# Allegro board RK_NVR_DEMO_RK3568_DDR4P216SD4_V12_20201221YWQ_final.brd (continued)
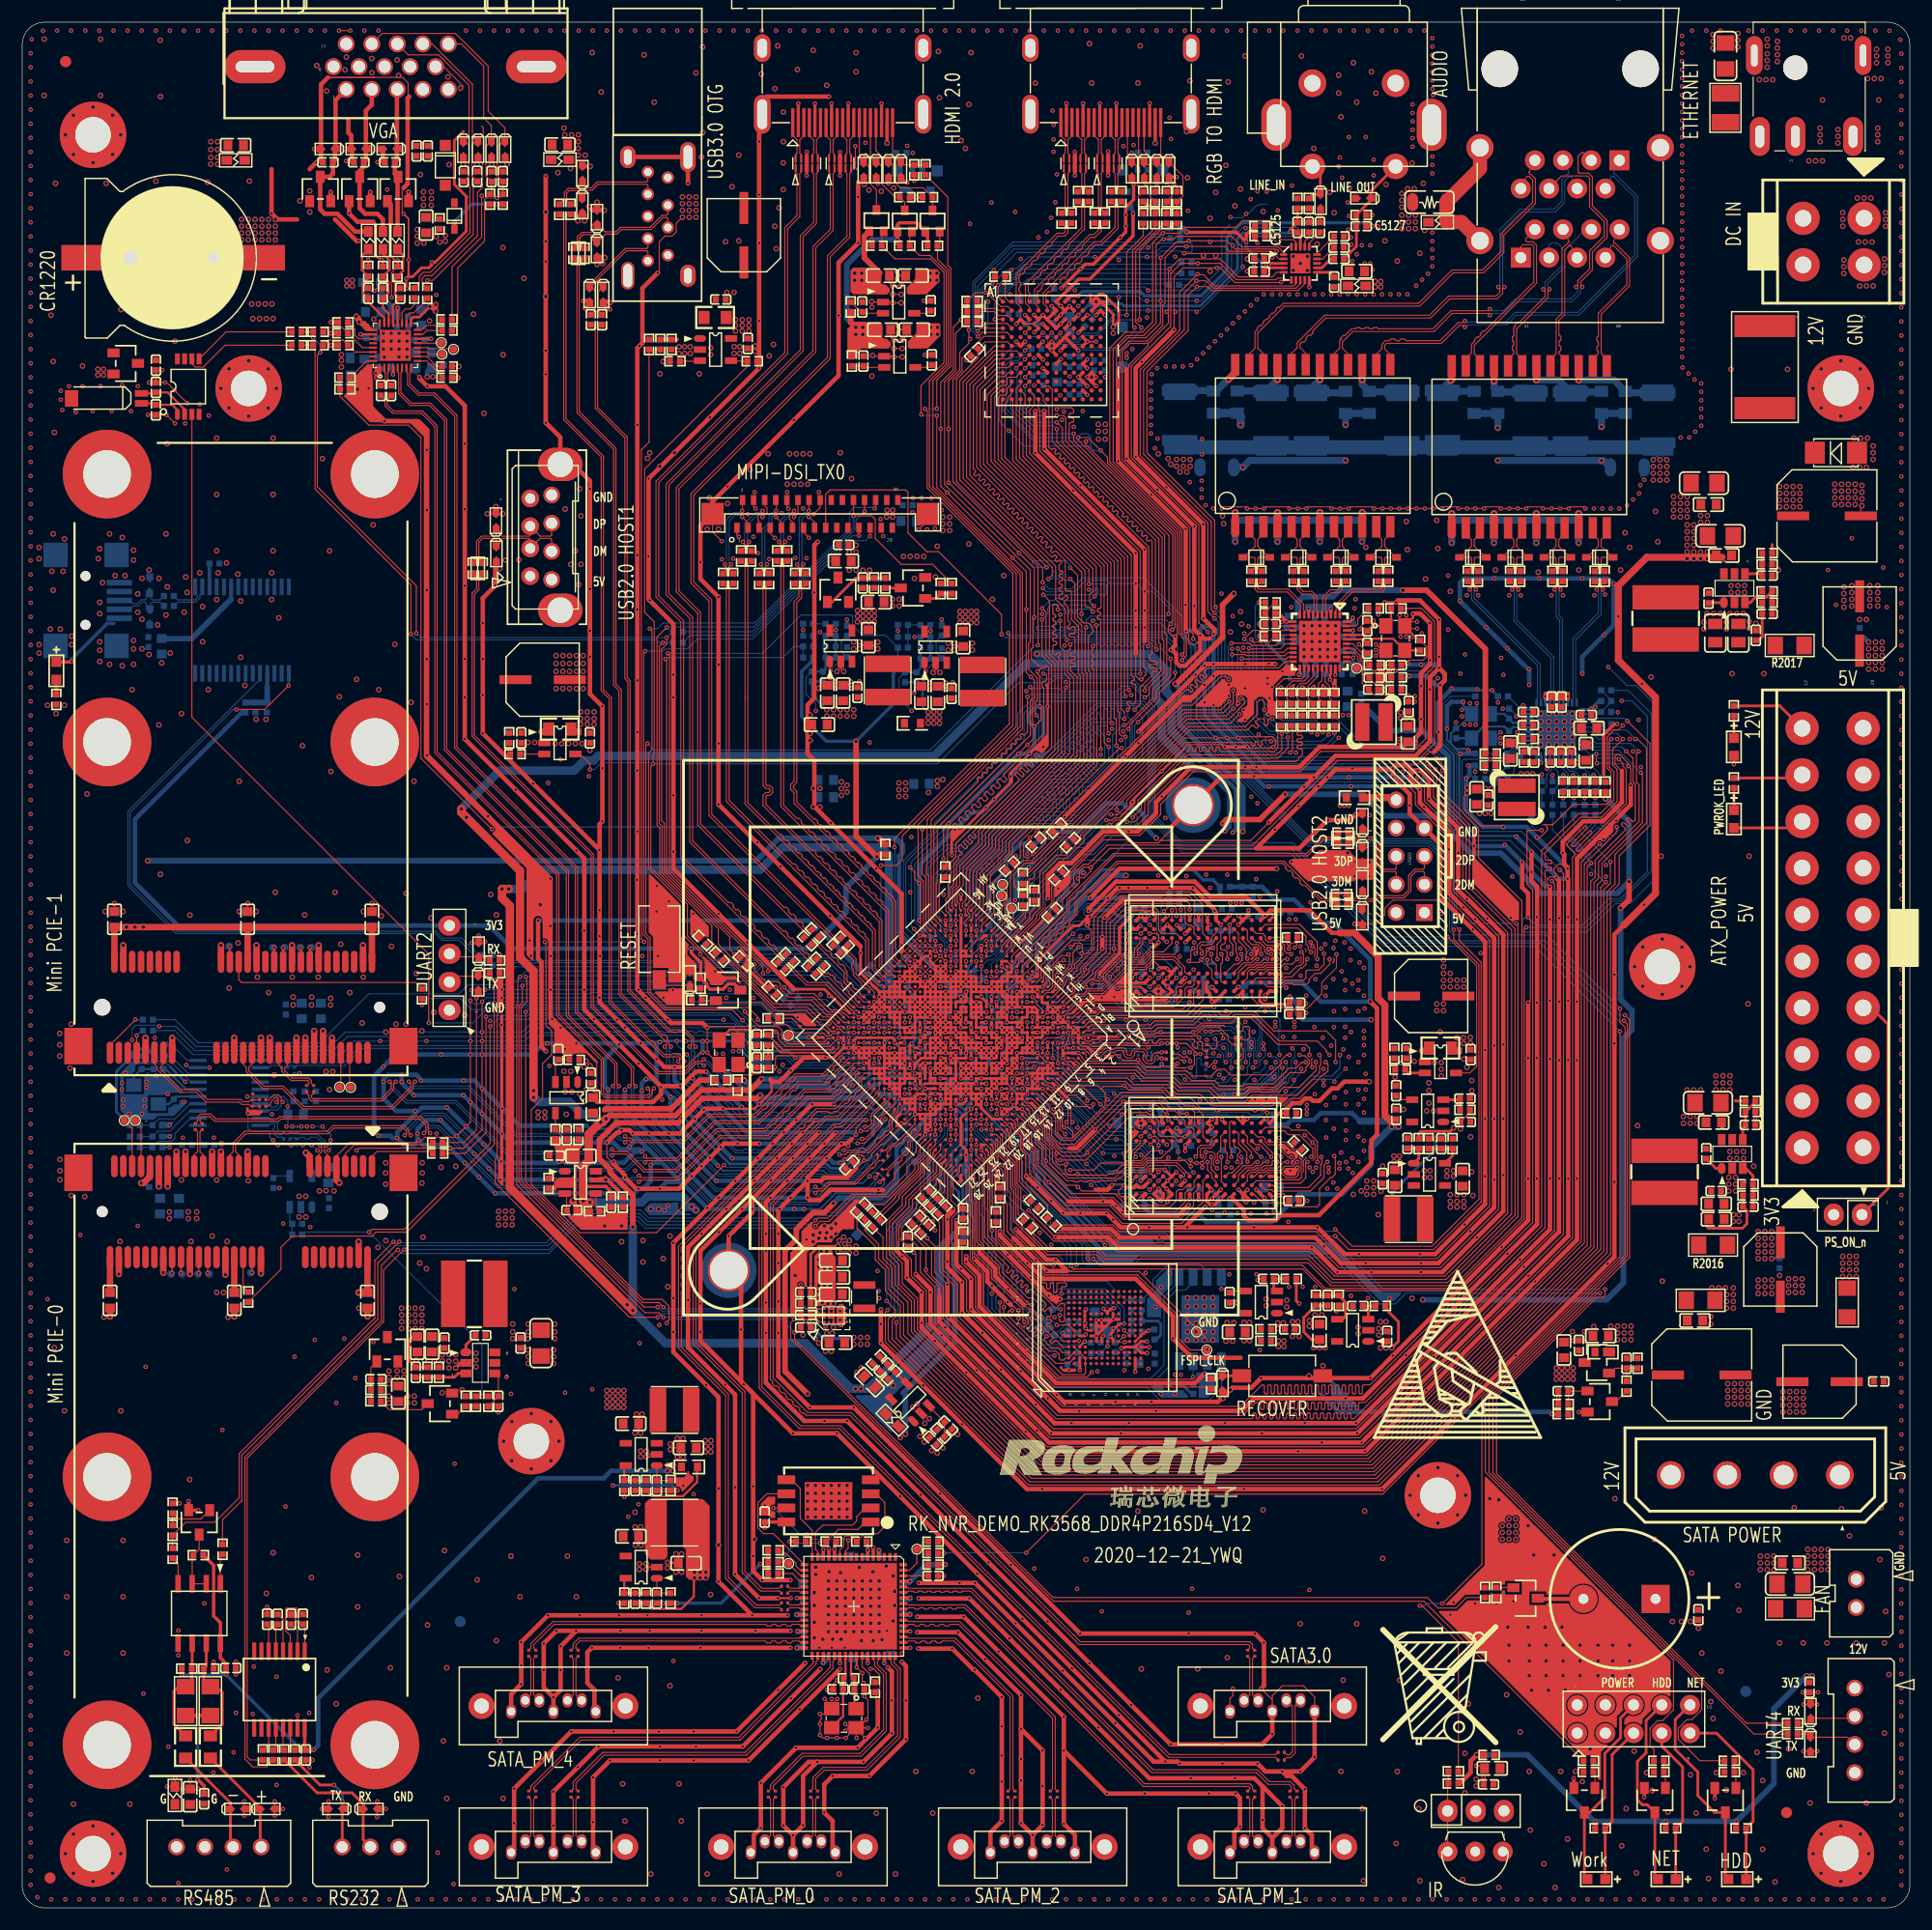
[diagram p0: board, top side]
## Routing (per net, layer and track width the routed paths; a pad name or vN(x,y) marks a point on that pad's centre or on a via; arc(x,y) is an arc through that point) (continued)
  POWER w0.254: 111.99,81.18 v1(111.99,81.89)
  POWER w0.4: v1(118.69,66.63) 118.81,66.52 119.37,66.52 v1(119.49,66.64) 119.83,66.98 v1(119.83,67.58) 120.29,68.04 120.29,69.44 v1(120.39,69.54) v1(120.39,72.44) 120.38,72.44 120.38,73.4 120.39,73.41 v1(120.39,73.74) v1(120.39,76.24) v1(120.39,80.82) v1(120.39,82.72) v1(120.39,83.62) 120.39,84.35 119.69,85.05 v1(119.69,85.42)
  POWER w0.406: v1(113.24,65.69) 113.24,66.34 113.23,66.34
  BOTTOM w0.089: v1(89.64,76.14) 90.1,76.14 ; 90.1,76.14 90.1,76.13 90.22,76 90.23,76 90.49,75.74 90.76,75.74 91.23,75.27 92.5,74 v1(93.16,74) 93.6,73.56 94.11,73.56 ; 90.1,76.14 90.42,76.46 90.87,76.46 91,76.33 91.36,76.33 91.66,76.03 91.66,75.74 92.57,74.84 ; 73.25,76.28 74.29,76.28 74.42,76.15 75.84,76.15 v1(75.85,76.14) ; 88.26,73.38 88.26,73.38 87.8,73.84 v1(87.34,73.84) ; 88.26,73.38 v1(88.72,73.38) 88.72,73.38 88.72,72.92 89.3,72.33 v1(89.38,72.33) ; 88.26,73.38 v1(88.26,72.92) ; 115.37,66.95 115.37,67.28 115.65,67.56 115.67,67.56 ; 93.73,62.69 v1(92.7,63.72) v1(91.48,64.94) 91.48,66.2 90.63,67.05 90.63,67.83 89.97,68.49 ; 92.65,72.09 92.59,72.09 91.09,73.58 91.09,73.59 90.78,73.91 90.49,73.91 90.18,74.22 89.72,74.22 89.64,74.3 v1(89.64,74.3) 89.58,74.35 89.58,74.81 89.18,75.22 v1(88.72,75.22) 88.72,74.43 90.31,72.84 90.47,72.84 91.3,72 v1(91.48,72) 91.71,71.77 91.71,71.74 ; C1404.2 88.47,80.48 v1(88.72,80.73) v1(89.18,81.19) 89.18,81.91 89.64,82.37 v1(89.64,82.57) v1(90.1,83.03) ; 90.11,87.31 90.1,87.3 90.1,87.29 89.94,87.13 ; v1(112.32,86.42) 112.22,86.32 112.22,86.06 111.81,85.65 111.81,85.34 ; v1(115.24,75.64) 115.24,75.28 115.1,75.14 ; v1(95.61,78.44) 95.81,78.64 v1(98.79,78.64) ; 104.14,68.4 103.78,68.77 C3344.2 103.78,68.96 ; v1(113.54,75.74) 113.54,75.32 113.44,75.22 113.44,75.14 ; 104.98,67.46 105.22,67.46 v1(105.27,67.41) 105.27,66.86 v1(105.29,66.84) 105.29,66.53 v1(105.54,66.28) 104.98,66.28 ; C1406.2 87.46,83.61 88.26,84.41 v1(88.26,84.87) 88.26,85.45 89.94,87.13 ; v1(97.46,79.97) 97.27,79.77 95.11,79.77 v1(94.69,79.35) 94.58,79.24 94.11,79.24 93.84,78.96 93.84,78.83 93.91,78.76 ; 87.76,79.4 87.35,79.8 ; 87.35,79.8 86.88,80.27 v1(86.88,80.73) ; 87.35,79.8 87.22,79.68 87.21,79.68 86.88,79.35 v1(86.88,78.89) ; 89.66,71.02 89.24,71.02 v1(88.72,71.54) ; 106.28,78.05 106.41,77.93 107.75,77.93 108.06,78.24 ; v1(119.24,75.64) 118.74,75.14 ; 92.27,76.73 92.42,76.57 v1(92.42,76.14) 92.42,76.11 v1(92.86,75.68) ; 92.27,76.73 91.98,77.02 91.53,77.02 91.48,77.06 ; 92.27,76.73 92.52,76.73 92.73,76.94 93.09,76.94 ; 111.51,76.3 111.51,76 111.25,75.74 v1(110.89,75.74) ; 111.51,76.3 112.01,76.81 112.01,77.26 v1(111.84,77.44) ; 111.51,76.3 111.51,76.4 111.15,76.76 111.15,77.06 111.3,77.22 111.3,78.21 111.33,78.24 ; v1(94.99,75.84) 95.04,75.79 96.35,75.79 96.38,75.82 ; v1(108.94,75.74) 108.86,75.66 108.86,75.29 108.71,75.14 ; v1(108.94,75.74) v1(109.92,75.74) 109.88,75.78 109.88,76.5 110.03,76.66 110.03,77.06 109.91,77.19 109.91,78.24 ; v1(108.94,75.74) 108.94,76.22 ; 93.91,78.76 93.91,78.76 94.1,78.57 94.37,78.57 94.56,78.76 95.02,78.76 v1(95.15,78.89) ; 93.91,78.76 93.64,78.76 93.64,78.76 93.32,78.44 93.32,78.43 93.64,78.11 94.1,78.11 v1(94.23,77.98) 94.24,77.97 94.34,77.97 94.43,77.88 96.38,77.88 96.47,77.97 98.52,77.97 ; C1213.2 81.33,78.4 81.04,78.11 80.91,78.11 C1722.2 ; C1605.2 86.8,84.49 v1(86.88,84.41) ; v1(114.44,77.49) 114.66,77.27 114.66,76.71 114.35,76.4 114.35,75.39 114.1,75.14 ; 91.48,77.06 v1(91.48,77.06) ; 91.48,77.06 91.59,77.17 91.59,77.63 91.94,77.98 v1(92.4,77.98) ; v1(81.82,72.92) 81.82,72.93 ; 79.61,69.91 80.45,70.74 v1(80.45,71.54) 81.24,71.54 81.7,72 v1(81.82,72) ; 91.93,73.84 91.93,73.84 ; 91.93,73.84 v1(91.48,74.3) 91.47,74.3 91.21,74.56 91.21,74.56 v1(91.02,74.76) v1(90.56,75.22) 90.56,75.22 90.54,75.22 90.41,75.35 89.96,75.35 U1000.F12 v1(89.18,75.68) ; 91.93,73.84 v1(91.94,73.84) ; 111.96,75.14 v1(112.56,75.74) ; v1(96.48,77.1) 95.2,77.1 v1(95.15,77.06) ; v1(90.1,81.19) 90.1,81.77 90.9,82.57 v1(91.48,82.57) 91.48,82.57 91.94,83.03 v1(91.94,83.03) ; 88.29,89.14 88.29,88.1 87.23,87.03 87.21,87.03 86.88,86.71 ; v1(107.99,88.62) 107.97,88.6 R3319.2 ; 89.94,87.13 89.94,86.97 v1(89.79,86.82) ; 93.86,83.57 v1(93.63,83.35) 93.17,82.89 ; 92.84,77.98 92.85,77.98 93.19,77.64 93.66,77.64 v1(93.77,77.52) ; C1006.2 85.34,77.35 ; 99.23,81.73 99.23,82.12 v1(99.34,82.22) ; 112.12,67.67 111.71,67.26 111.71,67.06 ; 110.29,67.67 109.98,67.36 109.98,66.95 ; 86.88,86.71 v1(86.42,86.71) 86.56,86.84 86.56,87.3 86.75,87.5 87.14,87.5 87.88,88.25 87.88,89.54 ; 86.88,86.71 87.21,86.38 87.47,86.38 87.66,86.57 87.66,86.91 88.69,87.94 88.69,88.74 ; v1(90.48,65.94) 90.48,65.93 ; v1(95.08,66.14) 93.43,66.14 v1(92.23,67.34) ; 79.06,70.47 79.2,70.61 v1(79.2,70.71) ; 108.94,76.22 108.94,76.51 109.17,76.73 109.17,77.01 108.97,77.22 108.97,77.8 108.37,78.39 v1(108.22,78.39) ; 108.94,76.22 108.46,76.71 108.46,77.3 v1(108.24,77.52) ; v1(107.34,77.04) 107.27,76.97 106.28,76.97 ; v1(111.19,86.45) 111.05,86.31 110.49,86.31 110.42,86.24 110.42,86.08 109.98,85.65 109.98,85.34 ; 74.07,75.46 75.26,75.46 75.44,75.29 76.17,75.29 76.38,75.49 76.89,75.49 77.71,76.31 C1723.2 ; v1(94.52,82.74) 94.52,82.76 94.59,82.83
  BOTTOM w0.1: 96.38,75.82 100.33,75.82 100.66,75.49 103.96,75.49 v1(104.78,74.66) 104.94,74.5 107.37,74.5 107.59,74.73 108.31,74.73 108.71,75.14 ; R3316.2 102.93,69.51 103.03,69.51 103.58,68.96 103.78,68.96 103.68,68.87 103.68,68.48 103.38,68.18 102.67,68.18 v1(102.62,68.13) ; 111.3,73.25 111.51,73.25 111.71,73.46 112.22,73.46 113.44,74.68 113.44,75.14 ; 99.5,64.01 99.8,64.31 101.04,64.31 101.14,64.21 ; 106.28,76.97 v1(106.15,76.97) v1(105.7,76.97) ; v1(103.54,73.29) 103.73,73.1 105.82,73.1 v1(106.11,72.81) v1(107.19,72.81) 107.26,72.75 110.92,72.75 v1(111.07,72.9) ; v1(99.72,78.64) 99.93,78.84 101.35,78.84 102.06,79.55 105.92,79.55 106.48,78.99 v1(106.63,78.99) v1(107.09,78.99) 107.19,79.1 108.92,79.1 109.17,78.84 109.78,78.84 109.91,78.71 109.91,78.24 ; v1(112.83,74.88) 112.52,74.88 111.51,73.86 110.59,73.86 110.04,73.31 v1(109.25,73.31) v1(108.24,73.31) ; v1(103.58,77.93) 103.68,77.83 ; 114.1,75.14 113.84,74.88 113.84,74.47 112.26,72.89 v1(112.09,72.89) ; 98.84,82.57 99.59,82.57 99.67,82.65 100.99,82.65 101.42,82.22 v1(101.59,82.22) ; 103.99,75.9 103.8,75.9 103.68,76.02 ; v1(102.39,66.34) v1(101.59,65.54) ; 115.1,75.14 v1(114.59,74.63) 114.59,74.36 v1(113.84,73.61) 113.84,73.52 v1(113.16,72.84) 112.56,72.24 111.81,72.24 111.46,71.88 v1(111.07,71.88) 111.02,71.88 110.95,71.96 107.82,71.96 107.75,71.88 v1(107.65,71.88) 107.59,71.93 105.69,71.93 105.21,72.42 103.2,72.42 102.36,73.26 98.52,73.26 v1(98.37,73.41) 98.22,73.56 94.11,73.56 ; 102.36,68.44 102.39,68.47 v1(102.39,68.74) v1(101.59,69.54) ; v1(100.07,74.85) 100.17,74.75 103.4,74.75 104.37,73.79 107.76,73.79 107.87,73.9 109.92,73.9 110.29,74.27 111.09,74.27 111.96,75.14 ; 103.68,76.02 103.56,75.89 102.77,75.89 102.67,75.99 ; 103.68,76.02 v1(103.68,76.02) ; 102.67,75.99 v1(102.67,76.05) ; 102.67,75.99 102.57,75.89 100.87,75.89 100.43,76.33 98.91,76.33 98.81,76.43 v1(98.81,76.77) 99.29,77.26 100.42,77.26 100.89,77.72 102.14,77.72 102.34,77.93 v1(102.67,77.93) ; v1(102.69,90.87) 102.69,90.35 102.62,90.27 102.62,88.17 C3336.2 ; 98.52,77.97 100.08,77.97 100.55,78.44 101.65,78.44 102.16,78.94 v1(102.57,78.94) v1(105.51,78.94) 105.51,78.82 105.89,78.45 106.03,78.45 v1(106.04,78.46) 106.04,78.41 106.12,78.33 106.12,78.21 106.28,78.05 ; v1(105.99,71.19) 106.04,71.19 106.38,71.53 107.24,71.53 107.42,71.35 107.87,71.35 108.01,71.48 108.55,71.48 108.69,71.35 110.13,71.35 v1(110.37,71.11) 111.36,71.11 111.91,71.66 v1(112.19,71.66) 113.16,71.66 116.18,74.68 118.03,74.68 118.23,74.47 v1(118.24,74.47) 118.23,74.48 118.23,74.63 118.74,75.14 ; v1(99.08,71.51) 99.08,71.13 98.75,70.79 C3308.2 98.34,70.79 98.08,70.54 98.06,70.54 98.03,70.51 98.01,70.51 v1(97.98,70.48) 97.93,70.54 97.83,70.54 97.52,70.84 ; v1(104.14,68.15) 104.14,67.98 104.18,67.94 104.18,67.57 v1(104.29,67.46) 104.98,67.46 ; v1(97.46,79.97) 97.53,80.04 v1(99.48,80.04) v1(100.23,80.04) v1(101.21,80.04) 101.44,80.04 101.77,80.37 106.63,80.37 106.88,80.11 v1(106.93,80.11) 106.93,80.06 107.04,79.96 108.97,79.96 109.27,80.26 111,80.26 111.51,79.76 111.51,78.41 111.33,78.24 ; v1(104.29,85.75) 104.19,85.65 104.19,84.12 104.37,83.95 104.37,83.59 104.09,83.31 104.09,83.21 103.92,83.04 v1(103.92,81.84) 104.12,81.63 v1(105.19,81.63) 105.28,81.54 105.55,81.54 106.01,81.08 107.31,81.08 v1(107.41,81.17) ; v1(103.19,83.82) 103.59,83.42 ; U3300.D2 102.77,83.45 102.77,84.02 102.62,84.18 102.21,84.18 101.86,83.82 v1(101.59,83.82) ; v1(108.22,78.39) 108.06,78.24
  BOTTOM w0.102: 96.22,131.72 96.27,131.78 96.27,132.59 95.96,132.89 95.45,132.89 95.15,132.59 v1(95.15,132.53) 91.14,132.53 89.46,134.21 89.46,134.32 88.65,135.13 88.65,139.09 89.03,139.47 89.74,139.47 90.27,140 90.68,140 90.94,140.27 90.94,140.67 90.94,140.67 ; 96.22,131.72 96.16,131.78 90.27,131.78 v1(88.9,133.15) 88.04,134.01 88.04,139.5 89.34,140.8 90.94,140.8 ; 96.22,131.72 96.57,131.37 v1(97.18,131.37) ; v1(99.72,78.64) v1(98.79,78.64) ; v1(92.86,75.68) 92.89,75.64 93.7,75.64 94.34,75 99.95,75 100.07,74.88 v1(100.07,74.85) ; v1(87.41,146.42) 87.45,146.42 87.83,146.81 88.65,147.62 v1(89.12,147.62) 89.27,147.77 89.62,147.77 90.67,148.82 v1(96.65,148.82) v1(101.35,148.82) 102.13,148.82 102.67,149.35 104.39,149.35 104.53,149.22 104.63,149.22 v1(104.7,149.15) 104.8,149.25 105.31,149.25 105.41,149.35 105.41,149.96 v1(105.11,150.27) 104.9,150.27 104.7,150.06 101.85,150.06 101.47,149.68 v1(101.47,149.66) 101.45,149.66 101.32,149.53 89.36,149.53 87.53,147.7 v1(87.53,147.63) 86.06,146.16 86.06,142.61 86.2,142.47 86.92,142.47 87.02,142.57 v1(87.02,144.78) 87.02,144.89 86.46,145.45 86.46,145.78 87.04,146.35 87.33,146.35 v1(87.41,146.42) ; v1(87.41,146.42) 87.41,146.28 87.79,145.9 88.06,145.9 89.18,147.02 89.5,147.02 90.21,147.73 v1(103.38,147.73) ; R3316.2 102.18,70.26 102.18,71.3 101.69,71.79 101.69,71.87 v1(101.6,71.96) ; v1(112.39,109.04) 112.39,108.92 113.79,107.52 118.11,107.52 120.9,104.72 126.87,104.72 127.89,103.71 127.89,102.59 v1(127.97,102.51) 127.97,102.13 127.51,101.68 126.36,101.68 126.34,101.7 ; v2(33.96,139.8) 33.85,139.69 32.39,139.69 32.18,139.48 31.21,139.48 ; v1(94.52,82.74) 94.4,82.74 v1(92.86,81.19) ; R6711.2 130.75,104.05 130.45,104.34 v1(130.3,104.34) ; 112.16,153.57 111.56,153.57 111.46,153.47 111.2,153.47 110.44,152.7 v1(110.29,152.7) 109.93,152.35 108.92,152.35 v1(108.86,152.4) ; 130.91,101.89 v1(130.91,102.41) R6719.2 ; 98.84,82.57 98.84,82.19 98.48,81.84 98.48,81.64 98.98,81.14 100.89,81.14 101.18,81.43 101.9,81.43 102.09,81.62 ; 98.84,82.57 99.04,82.78 99.04,83.07 98.49,83.62 98.28,83.62 v1(97.99,83.91) 97.64,84.26 96.92,84.26 96.69,84.04 96.69,83.81 96.77,83.73 ; 98.84,82.57 97.54,82.57 97.28,82.31 v1(97.28,82.02) ; 100.85,85.22 100.98,85.35 100.98,86.13 100.75,86.36 98.51,86.36 98.48,86.34 98.38,86.44 v1(98.38,86.47) v1(97.32,86.47) 96.93,86.47 96.79,86.33 95.75,86.33 v1(95.46,86.04) 95.25,86.04 94.9,86.39 93.94,86.39 93.22,85.66 93.22,84.26 93.27,84.31 ; 100.85,85.22 101.13,85.22 101.28,85.06 101.28,84.24 101.58,83.94 101.58,83.83 ; 100.85,85.22 100.67,85.22 99.97,84.52 99.97,84.34 ; v1(88.72,79.81) 88.79,79.89 C1105.2 ; v1(141.88,103.18) 143.35,103.18 143.41,103.12 144.52,103.12 v1(144.72,102.92) 144.72,103.17 143.9,103.99 v1(141.83,103.99) ; v1(100.74,88.5) 100.92,88.5 v1(101.59,87.82) ; v1(102.67,77.93) v1(103.17,77.93) v1(103.58,77.93) v1(103.99,77.93) 104.91,77.93 105.68,77.15 105.68,76.99 v1(105.7,76.97) ; C5910.2 34.89,142.67 C5909.2 34.78,142.04 v2(34.67,141.93) ; 91.71,71.74 91.71,71.59 v1(92.39,70.91) ; v1(146.15,128.73) 145.85,129.03 145.85,129.74 ; v1(99.42,64.01) 99.5,64.01 ; v1(14.68,74.47) 13.06,76.1 10.34,76.1 C8510.2 ; C1023.2 85.32,81.86 84.8,81.86 84.72,81.78 84.11,81.78 83.9,82 C1013.2 ; v1(58.62,82.76) v1(55.52,82.76) v1(50.65,82.76) v1(43.23,82.76) v1(41.71,82.76) 40.85,82.76 40.79,82.7 v1(40.49,82.7) 40.49,82.4 40.39,82.3 v1(40.39,81.79) 40.69,81.48 41.23,81.48 v1(41.44,81.69) 41.79,82.04 v1(43.23,82.04) v1(57.78,82.04) ; 59.79,77.01 58.98,77.01 58.67,76.71 58.67,75.9 v1(58.78,75.79) ; 59.79,77.01 58.98,77.83 v1(58.98,78.13) ; 59.79,77.01 v1(59.89,76.91) 60.1,76.71 60.1,75.08 v1(60.4,74.78) ; 132.73,105.42 133.16,105.42 v1(133.2,105.46) ; 132.73,105.42 v1(133.2,104.95) ; 132.73,105.42 132.65,105.42 ; 73.25,76.28 73.02,76.28 72.66,76.64 v1(72.37,76.64) ; 100.43,83.42 99.77,83.42 98.75,84.45 v1(98.75,84.68) 98.39,85.03 96.56,85.03 96.12,84.58 v1(95.74,84.58) 95.31,84.15 94.44,84.15 93.86,83.57 ; 100.43,83.42 U3300.B2 v1(101.59,83.82) ; 100.43,83.42 100.38,83.47 100.38,84.04 100.08,84.34 99.97,84.34 ; v1(116.18,59.54) 103.39,59.54 v1(103.38,59.52) ; v1(103.48,115.72) 103.67,115.91 103.67,116.86 101.85,118.67 v1(101.14,118.67) 100.43,119.38 v1(100.33,119.38) 97.99,119.38 97.69,119.68 95.86,119.68 94.84,118.67 92.25,118.67 v1(91.97,118.95) ; v1(103.48,115.72) 103.99,115.72 104.09,115.62 104.09,114.81 v1(103.89,114.6) 103.56,114.6 103.16,115.01 96.62,115.01 ; v1(103.48,115.72) 103.07,116.13 96.67,116.13 96.57,116.03 v1(96.47,116.03) 96.47,115.93 96.24,115.69 96.24,115.4 96.62,115.01 ; v1(102.62,68.13) 102.62,68.18 102.36,68.44 101.57,68.44 101.07,68.93 99.37,68.93 99.03,69.27 v1(98.58,69.27) 97.56,69.27 96.69,70.14 v1(96.69,70.17) 96.66,70.17 96.08,70.75 96.08,70.96 94.8,72.24 93.19,72.24 v1(92.94,71.99) 92.84,72.09 92.65,72.09 ; 72.49,66.14 74.63,66.14 v1(75.84,67.36) 75.95,67.36 79.06,70.47 ; R8527.2 v1(11.95,78.43) ; 104.39,65.92 104.39,65.33 104.19,65.13 103.6,65.13 v1(103.19,65.54) 102.94,65.78 v1(102.94,66.54) 102.59,66.54 v1(102.39,66.34) ; 104.39,65.92 104.75,66.28 104.98,66.28 ; 104.39,65.92 v1(103.99,66.33) ; v1(61.62,75.39) 61.32,75.39 60.91,75.79 60.91,76.71 v1(61.32,77.11) ; 94.19,87.63 94.19,87.48 94.29,87.38 94.64,87.38 94.69,87.44 95.18,87.44 v1(95.33,87.59) 95.38,87.54 95.38,87.28 95.48,87.18 96.29,87.18 96.64,87.53 v1(97.32,87.53) 99.08,87.53 99.08,87.54 99.23,87.54 v1(99.51,87.25) 99.51,87.2 99.62,87.1 101.12,87.1 101.6,86.62 101.78,86.62 ; 94.19,87.63 94.19,87.79 94.99,88.59 95.93,88.59 v1(95.95,88.57) 95.97,88.59 97.02,88.59 97.08,88.54 99.78,88.54 99.89,88.43 v1(99.94,88.43) ; 94.19,87.63 93.7,87.14 93.69,87.14 ; 96.77,83.73 96.34,83.73 95.95,83.34 95.49,83.34 ; 96.77,83.73 97.34,83.16 97.34,83.07 ; v1(16.88,75.73) U8501.9 15.02,75.73 v1(14.78,75.97) ; v1(92.39,70.91) 93.47,70.91 93.68,71.13 ; v1(92.39,70.91) 92.39,70.63 93.74,69.29 93.74,69.22 95.9,67.06 v1(95.9,67.06) 97.82,65.14 v1(98.19,65.14) v1(99.28,65.14) 100.28,65.14 ; 97.89,66.34 97.68,66.34 v1(95.95,68.07) 95.95,68.27 93.88,70.34 v1(93.88,70.37) 93.68,70.37 93.68,71.13 ; 88.29,89.14 88.29,90.2 C6822.2 ; 35.07,141.34 34.79,141.34 v2(34.67,141.22) ; v1(134.62,107.39) 134.62,107.49 134.02,108.09 C6700.2 v1(133.4,108.09) ; v1(134.72,105.97) 133.98,105.22 C6701.2 ; 129.95,106.98 129.29,106.32 R6701.2 ; 129.95,106.98 v1(129.95,106.65) ; 129.95,106.98 130.36,107.39 ; v2(13.51,78.44) 13.87,78.44 15.39,76.91 28.7,76.91 29.92,78.13 v1(32.26,78.13) v1(36.42,78.13) v1(40.39,78.13) v1(41.44,78.13) 45.26,78.13 46.48,79.35 v1(48.51,79.35) v1(61.72,79.35) 64.06,79.35 ; 111.1,150.67 114.55,150.67 114.96,151.08 114.96,151.38 114.86,151.49 109.98,151.49 108.97,150.47 108.97,147.63 106.2,144.86 v1(101.35,144.86) 100.96,144.86 100.53,145.29 96.06,145.29 v1(95.16,144.39) ; 111.1,150.67 111.1,150.27 111.28,150.09 v1(111.3,150.09) ; 111.1,150.67 110.19,150.67 109.88,150.37 109.88,148.03 v1(109.98,147.93) 109.88,147.83 109.88,147.74 106.14,144 101.47,144 v1(101.45,143.98) 101.42,144 96.71,144 96.29,143.59 v1(95.96,143.59) ; v1(101.81,89.8) 101.8,89.79 101.8,89.16 101.69,89.05 100,89.05 100,89.05 98.02,89.05 97.74,89.32 97.59,89.32 v1(97.54,89.27) 97.5,89.32 v1(96.18,89.32) 95.95,89.32 95.66,89.61 95.66,89.97 96,90.32 98.48,90.32 98.99,89.81 v1(99.58,89.81) ; 96.63,71.74 98.78,71.74 99.01,71.51 v1(99.08,71.51) 99.16,71.51 99.38,71.74 100.51,71.74 101.05,71.2 101.05,70.59 101.24,70.4 101.24,70.19 101.67,69.76 101.67,69.61 v1(101.59,69.54) 101.19,69.94 v1(99.89,69.94) 99.81,69.94 99.46,70.29 98.18,70.29 97.99,70.48 v1(97.98,70.48) ; 96.63,71.74 97.52,70.84 ; 96.63,71.74 96.48,71.89 96.48,72.41 v1(96.5,72.43) 96.48,72.43 96.45,72.41 95.74,72.41 95.28,72.87 95.28,73 ; v1(20.35,71.62) 20.35,70.21 20.45,70.1 20.57,70.1 20.68,70 22.2,70 22.3,69.9 22.3,69.49 v1(22.61,69.19) v1(23.04,68.76) v1(24.23,68.76) R8519.2 v1(25.27,68.76) v1(26.06,68.76) 26.13,68.76 v1(26.62,68.28) v1(27.6,68.28) 27.79,68.46 v1(27.79,69.19) 27.79,69.7 v1(27.06,70.43) v1(26.16,70.43) v1(25.65,70.43) v1(25.15,70.43) R8518.2 v1(24.33,70.43) v1(23.81,70.43) 23.93,70.55 v1(23.93,72.24) 23.93,72.75 23.54,73.13 U8501.16 v1(20.29,73.13) ; 100.28,65.14 100.38,65.24 100.38,65.64 99.92,66.11 99.66,66.11 v1(99.58,66.04) ; 100.28,65.14 U3301.B2 v1(101.59,65.54) 101.35,65.78 101.35,67.48 100.96,67.87 v1(100.84,67.87) 100.84,67.99 100.77,68.05 99.34,68.05 v1(99.28,67.99) 99.25,68.02 v1(97.38,68.02) 97.3,68.02 95.11,70.21 95.11,70.86 94.53,71.44 93.99,71.44 93.68,71.13 ; v1(95.15,77.06) 95.01,76.92 94.56,76.92 93.96,77.52 v1(93.77,77.52) ; C8504.2 v1(23.18,64.89) ; v1(99.28,52.65) 99.28,54.08 97.59,55.78 93.32,55.78 93.21,55.67 93.21,55.13 93.48,54.87 v1(93.52,54.87) 97.56,54.87 v1(98.38,54.05) ; 130.45,107.76 v1(130.45,108.58) ; v1(85.77,58.52) 85.77,58.95 85.6,59.13 85.6,60.35 85.7,60.45 85.7,62.26 85.45,62.51 ; v1(129.72,107.39) 130.36,107.39 ; 130.36,107.39 130.45,107.48 ; C3312.2 98.15,63.31 v1(96.3,65.16) 92.82,68.63 92.82,69.12 90.1,71.85 90.1,72 v1(90.1,72) 90.1,72 89.71,72 v1(89.38,72.33) ; 76.66,66.24 78.23,67.82 78.23,68.53 79.61,69.91 ; v1(93.01,49.78) 91.59,49.78 87.38,54 v1(87.38,55.37) v1(87.38,56.08) v1(87.38,61.06) ; 93.32,78.44 93.31,78.44 92.84,77.98 v1(92.4,77.98) ; v1(14.58,72.64) 13.46,71.53 10.98,71.53 Y8500.2 ; C5923.2 33.78,142.11 v2(33.96,141.93) ; 93.27,84.31 93.87,84.31 94.21,84.66 95.01,84.66 95.5,85.14 96.11,85.14 96.39,85.43 99.07,85.43 99.08,85.43 98.99,85.43 99.09,85.32 ; 93.27,84.31 93.29,84.34 v1(93.4,84.34) ; v1(98.63,98.98) 98.58,98.98 98.5,99.06 97.92,99.06 95.4,96.54 93.16,96.54 91.39,94.78 91.39,94.49 91.08,94.18 v1(91.08,95.05) 90.78,95.35 90.42,95.35 90.22,95.15 90.22,94.11 87.88,91.77 87.88,89.54 ; v1(98.63,98.98) 98.96,98.65 100.2,98.65 100.46,98.39 100.46,97.79 v1(99.69,97.03) ; v1(98.63,98.98) 98.6,98.95 98.6,98.45 98.2,98.04 v1(97.69,98.04) 97.55,98.04 95.64,96.14 93.54,96.14 92.2,94.79 92.2,94.44 90.17,92.41 90.17,90.35 88.98,89.15 v1(88.9,89.15) 88.9,89.09 88.69,88.88 88.69,88.74 ; C2123.2 78.9,115.17 ; v2(72.91,61.25) 73.93,61.25 ; 147.37,131.34 v2(148.18,130.53) ; 147.37,131.34 147.37,130.94 ; 147.37,131.34 D6708.2 ; v1(91.94,79.35) v1(92.85,79.35) 92.86,79.35 v1(93.77,80.27) 93.97,80.47 94.43,80.47 v1(95.15,81.19) ; v1(123.19,54.94) 122.88,54.94 122.83,54.99 122.83,55.2 122.55,55.2 122.27,55.47 122.27,55.55 118.31,59.51 117.42,59.51 v1(117.3,59.64) ; 130.45,107.48 Y6700.4 ; 130.45,107.48 v1(130.45,106.65) ; Y6700.4 131.06,108.09 v1(131.06,108.58) ; Y6700.4 130.96,107.25 v1(130.96,106.65) ; 71.68,65.53 71.98,65.23 72.19,65.23 72.29,65.33 72.9,65.33 ; 95.49,83.34 v1(95.84,82.99) ; 95.49,83.34 95.39,83.24 94.99,83.24 94.59,82.83 ; 99.97,84.34 v1(99.88,84.34) ; v1(80.41,114.56) R2119.2 ; 132.65,105.42 v1(133.2,105.97) ; 132.65,105.42 Y6700.2 ; v1(89.76,53.14) 89.81,53.18 90.42,53.18 90.78,52.82 90.78,52.04 92.07,50.75 95.43,50.75 v1(95.73,51.05) ; v1(94.84,145.8) 94.74,145.8 94.59,145.95 C5107.2 94.39,146.1 101.14,146.1 v1(101.45,145.8) 106.02,145.8 108.09,147.86 108.09,151.01 108.81,151.74 ; v1(129.72,108) 130.21,108 ; 95.28,73 93.39,73 93.39,73.01 92.87,73.01 v1(92.74,73.13) 92.64,73.13 v1(91.94,73.84) ; 95.28,73 95.39,73.11 97.7,73.11 97.79,73.03 v1(97.79,72.85) 97.97,72.85 98.13,72.69 v1(99.22,72.69) 99.24,72.69 99.26,72.7 101.71,72.7 C3343.2 102.52,72.51 103.12,71.91 103.12,71.52 v1(103.12,71.52) ; 74.07,75.46 72.62,75.46 72.39,75.69 67.92,75.69 v1(67.82,75.79) 67.41,76.2 ; v1(63.2,80.05) v1(53.59,80.05) 51.57,80.05 v1(51.51,80.11) v1(47.75,80.11) 46.23,80.11 45.06,78.94 v1(41.44,78.94) v1(40.39,78.94) v2(32.77,78.94) 29.1,78.94 27.79,77.63 15.69,77.63 13.87,79.45 v1(12.34,79.45) 12.24,79.45 12.14,79.55 10.21,79.55 9.91,79.25 v1(9.91,78.23) ; v1(89.66,68.8) 89.97,68.49 ; v1(91.29,134.92) v1(92.07,134.92) ; v1(117.7,105.77) 117.09,105.16 113.11,105.16 112.71,105.56 112.12,105.56 112.01,105.46 112.01,105.05 112.42,104.65 v1(112.73,104.65) 112.83,104.55 117.7,104.55 v1(118.62,105.46) ; 96.62,115.01 95.45,115.01 95.25,115.21 93.83,115.21 93.52,114.91 91.24,114.91 91.14,115.01 91.14,116.29 v1(91.18,116.33) ; v1(71.88,115.01) 72.23,114.66 R2121.2 ; v1(93.49,61.2) 95,59.7 v1(95,57.99) 95,57.87 94.55,57.43 94.29,57.43 94.11,57.61 94.11,59.51 93.17,60.45 v1(93.11,60.45) 92.2,61.36 92.2,62.31 90.45,64.06 v1(90.33,64.06) ; 132.89,101.89 v1(132.41,101.89) ; 93.73,62.69 v1(93.78,62.64) 94.43,61.99 94.44,61.99 96.9,59.52 96.9,58.25 96.8,58.14 96.37,58.14 v1(96.02,58.5) 96.02,59.54 90.48,65.08 90.48,65.93 ; v2(10.72,65.33) 11.27,65.88 C8533.2 ; 93.09,76.94 93.32,76.71 93.66,76.71 v1(93.77,76.6) 93.77,76.57 94.5,75.84 v1(94.99,75.84) ; R8528.2 25.1,76.89 ; R2120.2 v1(70.36,115.19) 70.36,115.62 ; 78.9,115.04 R2118.2 ; 76.66,69.7 76.66,69.6 75.54,68.48 75.13,68.48 v1(74.12,67.46) ; v1(80.36,88.23) 80.11,88.48 80.11,93.68 v1(80.01,93.78) 80.11,93.88 80.11,94.28 83.06,97.23 ; 147.37,130.94 147.37,130.73 v2(147.57,130.53) ; 147.37,130.94 v2(146.96,130.53) ; v1(96.48,77.1) 98.36,77.1 98.69,76.77 v1(98.81,76.77) ; 35.34,138.79 35.34,138.42 v1(35.79,137.97) ; v1(24.99,75.22) R8529.2 ; 124.92,102.01 124.92,102.62 124.71,102.82 123.6,102.82 v1(123.49,102.72) ; v1(76.05,71.02) 77.7,71.02 ; v1(142.9,111.86) 144.58,110.19 145.41,110.19 147.07,108.53 147.07,92.71 144.88,90.53 143.54,90.53 140.97,87.96 135.26,87.96 135.16,88.06 135.16,89 135.46,89.31 v1(135.69,89.31) 136.4,88.6 140.59,88.6 142.95,90.96 143.99,90.96 146.43,93.39 146.43,107.39 145.01,108.81 v1(144.12,108.81) ; 93.17,82.89 v1(93.15,82.86) ; 92.57,74.84 93.5,74.84 94.05,74.29 98.98,74.29 99.15,74.12 99.3,74.12 v1(99.3,74.12) 99.42,73.99 102.83,73.99 v1(103.54,73.29) ; 32.32,143.74 32.22,143.74 v2(31.68,143.2) ; v1(99.72,96.27) 97.89,94.44 95.25,94.44 92.41,91.59 v1(92.41,91.01) 92.38,91.03 92.2,91.03 92.2,89.4 90.11,87.31 ; U4302.4 v1(108.05,55.78) ; v2(32.54,141.22) 32.26,141.49 31.99,141.49 31.97,141.51 31.97,142.54 ; R6722.2 v1(132.97,108.66) ; 91.64,111.61 100.89,111.61 101.22,111.27 101.22,111.13 v1(100.84,110.74) 100.63,110.74 100.33,111.05 92.91,111.05 92.63,110.77 91.98,110.77 91.49,111.25 v1(91.49,111.46) 91.64,111.61
  BOTTOM w0.127: v1(88.72,79.81) 88.63,79.73 88.09,79.73 87.76,79.4 87.76,78.94 v1(87.8,78.89)
  BOTTOM w0.152: 72.49,64.92 72.9,65.33 75.74,65.33 v1(76.35,65.94) 76.66,66.24 77.17,66.24 77.67,65.74 77.67,65.23 v1(77.17,64.72) 76.86,64.41 73.3,64.41 71.88,62.99 v1(70.46,62.99) ; 72.49,64.92 71.48,63.91 71.17,63.91 71.07,64.01 v1(70.76,64.01) ; 72.49,64.92 72.19,65.23 ; 107.44,85.14 107.39,85.09 107.19,85.09 ; 106.98,85.09 107.19,85.09 ; 106.98,85.09 107.24,85.34 ; 106.98,85.09 106.58,85.09 106.23,85.43 v1(106.23,85.48) 106.26,85.48 106.43,85.65 ; 107.19,85.09 107.34,85.24 ; 72.49,66.14 72.19,66.45 63.14,66.45 v1(62.68,66.91)
  BOTTOM w0.203: R6728.2 v1(138.85,102.1) ; v1(130.3,104.34) 130.3,104.37 130.2,104.47 129.16,104.47 ; v1(131.11,109.83) 131.18,109.76 v1(132.42,109.76) R6722.2 ; R8509.2 v1(13.28,68.55) ; 96.1,50.98 95.8,50.98 v1(95.73,51.05) ; R6726.2 v1(136.92,102.18) ; C1408.2 82.24,76.28 82.24,76.27 82.24,75.81 C1017.2 ; v1(139.73,102.11) 139.73,102.03 139.82,101.94 R6730.2 ; v1(128.37,106.27) 128.37,105.3 128.72,104.95 ; R8511.2 v1(13.28,69.52) ; 129.16,104.47 v1(129.59,104.04) 129.49,103.94 129.49,98.18 131.05,96.62 134.57,96.62 v1(134.62,96.57) ; 129.16,104.47 129.08,104.55 129.08,104.59 128.72,104.95 ; R6724.2 141.75,101.94 v1(141.58,102.11) ; R8507.2 v1(13.28,70.54) ; 128.72,104.95 128.72,105.84 R6701.2 ; 53.49,70.61 53.11,70.23 51.13,70.23 50.85,70.51 ; C1722.2 80.76,77.66 v1(80.9,77.52) ; v1(85.5,78.44) 85.5,78.42 86,77.92 C1007.2 ; Y6700.4 129.84,108.37 v1(129.84,108.71) ; v1(130.81,95.71) 128.98,97.54 128.98,103.93 127.56,105.35 127.56,105.92 v1(127.61,105.97) ; TP1302.1 v1(93.58,53.95) ; R6733.2 v1(140.78,102.09) ; v1(104.86,115.07) 104.83,115.05 104.83,114.51 105.71,113.63 v1(105.71,111.15) 105.82,111.05 105.82,107.19 v1(107.54,105.46) ; R6727.2 v1(137.89,102.09) ; v1(74.83,74.15) 74.83,74.19 74.51,74.52 C1214.2
  BOTTOM w0.254: v1(90.04,70.62) 91.95,68.71 91.95,67.62 v1(92.23,67.34) ; v1(85.04,83.49) 85.35,83.49 85.84,83 C1604.2 ; v1(57.45,78.03) 57.56,78.13 v1(58.98,78.13) v1(59.79,78.13) v1(61.32,78.13) v1(61.72,78.13) 63.96,78.13 65.89,76.2 67.41,76.2 ; 100.01,66.5 100.01,66.46 99.66,66.11 ; 80.85,80.61 80.97,80.73 v1(81.36,80.73) ; C1005.2 84.54,78.89 v1(84.12,78.89) ; 79.49,79.24 79.61,79.35 v1(79.99,79.35) ; 81.97,72.58 81.97,72.77 v1(81.82,72.92) ; 81.97,72.58 81.97,72.15 v1(81.82,72) ; 81.97,72.58 82.17,72.58 v1(82.28,72.46) ; 86.58,73.06 86.58,73.08 v1(86.88,73.38) ; v1(87.34,83.04) 87.34,83.36 87.46,83.48 ; C4004.2 93.73,51.82 v1(93.73,51.82) ; v1(79.99,79.35) 80.27,79.64 80.3,79.64 ; v1(79.99,79.35) 80.06,79.28 80.06,78.92 ; C3326.2 110.48,89.37 v1(110.48,89.94) ; v1(73.1,72.44) 73.3,72.24 76.35,72.24 76.66,71.93 77.17,71.93 77.47,72.24 78.38,72.24 v1(79.07,72.92) ; C1017.2 82.16,75.68 v1(81.82,75.68) ; v1(85.5,72) 85.24,72.26 C1510.2 85.14,72.33 C1300.2 ; 78.98,77.87 78.71,77.87 v1(78.61,77.98) ; v1(83.66,72) 83.72,71.95 84.29,71.95 84.66,71.58 84.66,71.56 ; v1(90.1,83.03) v1(90.56,83.49) ; C1210.2 78.01,78.3 v1(77.69,77.98) ; C1405.2 88,81.14 88.49,81.64 88.49,82.35 v1(88.72,82.57) 88.72,82.58 88.72,83 C1211.2 ; v1(80.9,77.52) 80.9,77.52 81.14,77.28 C1412.2 81.46,77.28 81.74,77 ; 80.02,74.43 80.15,74.3 v1(80.45,74.3) 80.45,73.95 C1402.2 ; C1411.2 79.46,76.14 v1(79.53,76.14) ; 101.89,52.13 101.59,52.13 v1(101.47,52.02) 101.35,52.02 101.26,51.94 C4000.2 ; v1(72.37,76.64) 69.68,76.64 v1(69.65,76.61) 69.04,77.22 v1(66.29,77.22) 66.17,77.34 66.07,77.34 65.94,77.47 v1(65.48,77.93) 64.06,79.35 ; v1(82.74,73.84) 83.14,73.84 C1301.2 ; R1713.2 79.13,80.71 79.5,80.71 v1(79.53,80.73) ; 85.34,77.35 v1(85.04,77.06) 85.02,77.04 84.65,77.04 C1000.2 ; 84.2,73.88 84.2,74.23 v1(84.12,74.3) 83.84,74.59 83.63,74.59 83.63,73.87 v1(83.66,73.84) 83.68,73.82 84.26,73.82 84.2,73.88